# Altium PCB FlatSat Half 2.PcbDoc (part 7 of 9) (continued)
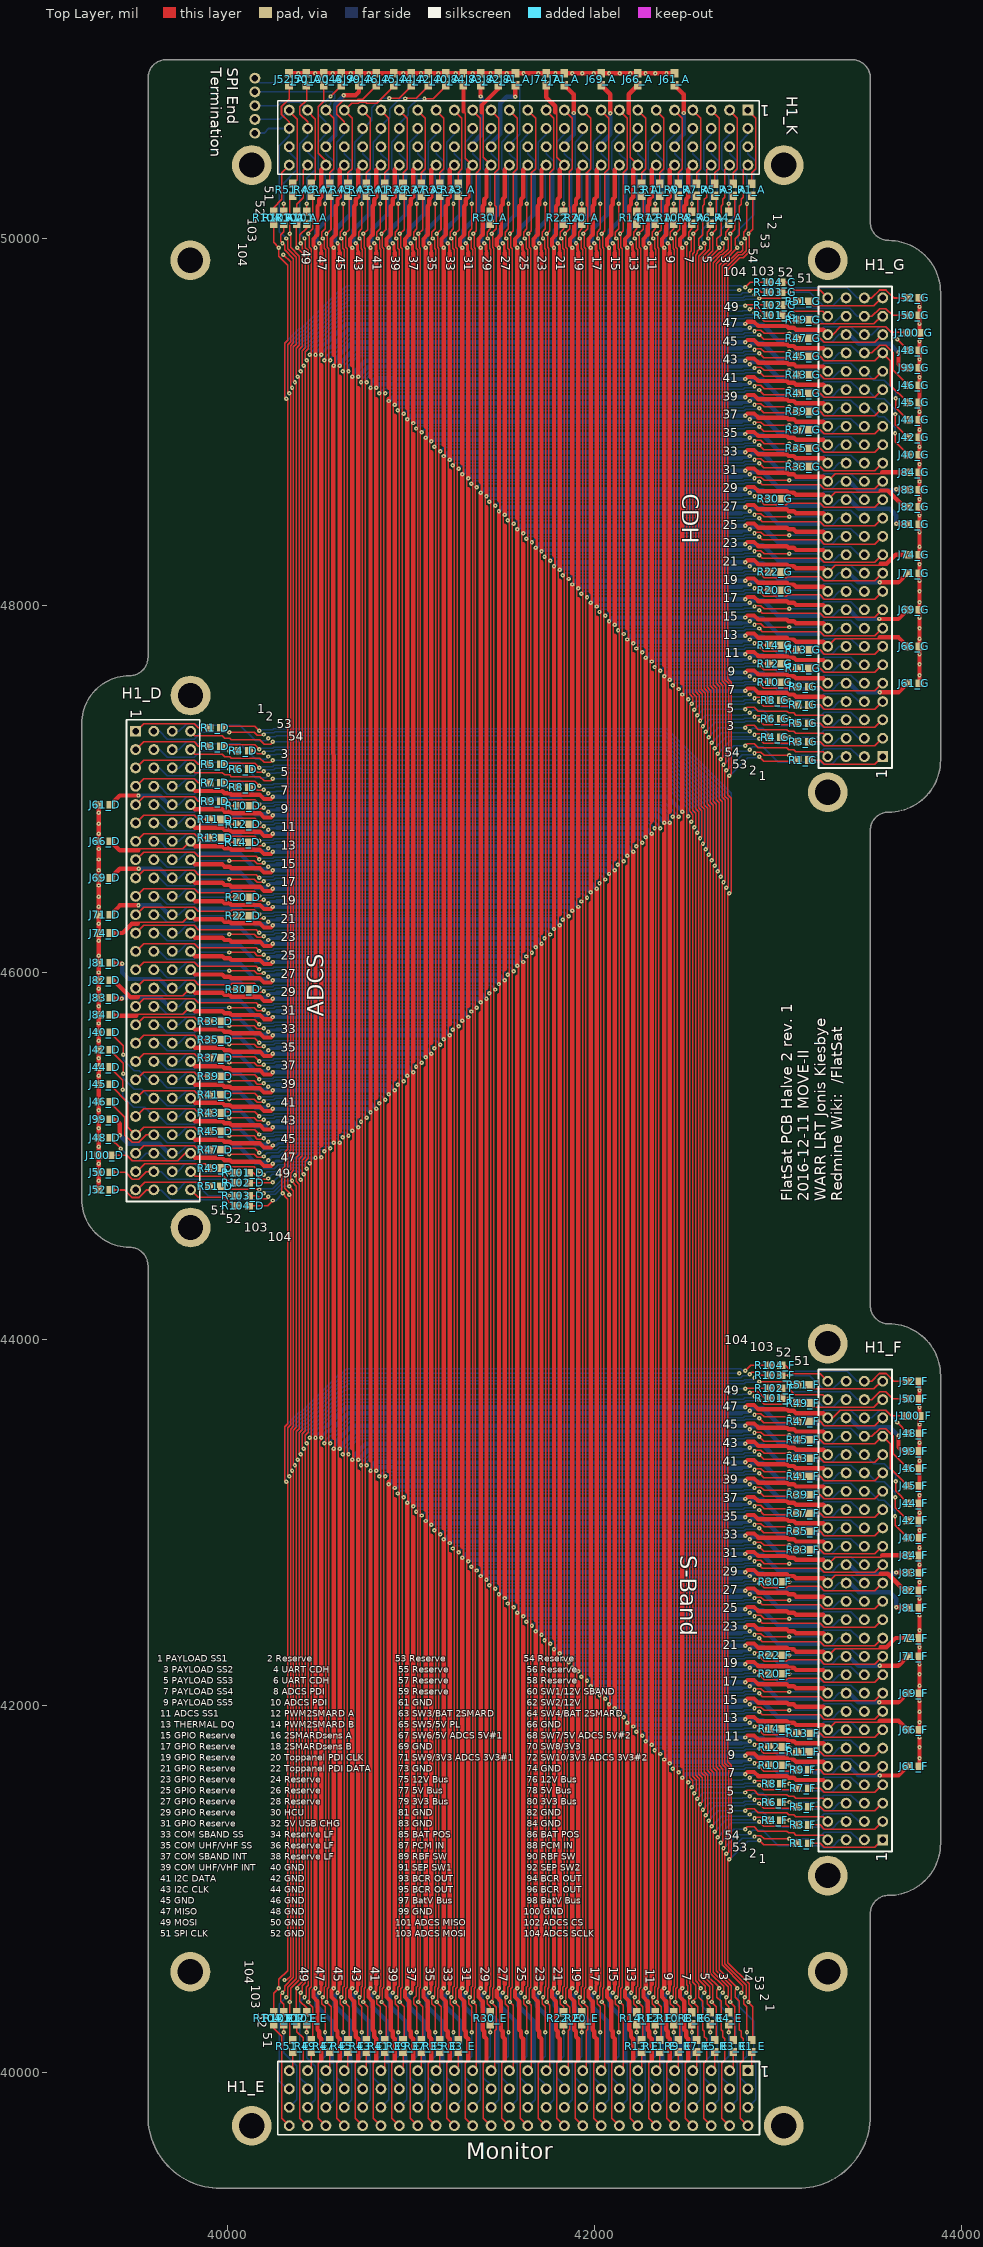
[diagram p0: Top Layer view]
## Nets (pads, with @x,y where several pads share a name; then routed paths per layer and width w, separated by ;. In a path a pad name is that pad's centre, name@x,y a point inside that pad or via, vN(x,y) a via of type N, cw(c..) or ccw(c..) an arc to the next point about the centre after c; other vN are vias at no path point) (continued)
  Bottom Layer w8: v1(40198,46895) 40207,46904 40252.41,46904 40259.41,46911 42363.2,46911 42410.63,46863.57 42410.63,46863.37 v1@42428,46846 ; v1(42428,41658) 42442,41672 42811.59,41672 42818.59,41679 42864,41679 v1(42873,41688) ; v1(42428,47563) 42442,47577 42811.59,47577 42818.59,47584 42864,47584 v1(42873,47593)
  other v1: 42428,46847
GPIO_RESERVE_1: H1_D.27 H1_E.27 H1_F.27 H1_G.27 H1_K.27 | length 16965.2
  Top Layer w8: H1_D.27@39500.48,46012 39543.01,46054.53 39818.1,46054.53 39840.62,46032 40156,46032 v1(40173,46015) ; H1_E.27@41537,40012 41557,40032 41557,40369 v1(41540,40386) 41540,40395 41545,40400 41545,40458.78 41552,40465.78 41552,49944.22 41545,49951.22 41545,50010 41540,50015 v1(41540,50024) 41557,50041 41557,50356.38 41579.53,50378.9 41579.53,50653.99 H1_K.27@41537,50696.52 ; v1(42898,42568) 42915,42551 43230.38,42551 43252.9,42528.47 43527.99,42528.47 H1_F.27@43570.52,42571 ; v1(42898,48473) 42915,48456 43230.38,48456 43252.9,48433.47 43527.99,48433.47 H1_G.27@43570.52,48476
  Bottom Layer w8: v1(40173,46015) 40182,46015 40187,46020 40245.78,46020 40252.78,46027 41538,46027 v1(41560,46005) ; v1(41560,42538) 41578,42556 42818.22,42556 42825.22,42563 42884,42563 42889,42568 v1(42898,42568) ; v1(41560,48443) 41578,48461 42818.22,48461 42825.22,48468 42884,48468 42889,48473 v1(42898,48473)
GPIO_RESERVE_2: H1_D.29 H1_E.29 H1_F.29 H1_G.29 H1_K.29 | length 17096.2
  Top Layer w8: H1_D.29@39500.48,45912 39543.01,45954.53 39818.1,45954.53 39840.62,45932 40017.24,45932 40024.91,45939.67 40145.09,45939.67 40169.76,45915 v1(40173,45915) ; H1_E.29@41437,40012 41457,40032 41457,40230.24 41464.67,40237.91 41464.67,40358.09 41440,40382.76 v1(41440,40386) 41440,40395 41445,40400 41445,40458.78 41452,40465.78 41452,49944.22 41445,49951.22 41445,50010 41440,50015 v1(41440,50024) 41440,50027.24 41464.67,50051.91 41464.67,50172.09 41457,50179.76 41457,50356.38 41478.53,50377.9 41478.53,50654.99 H1_K.29@41437,50696.52 ; v1(42898,42668) 42901.24,42668 42925.91,42643.33 43046.09,42643.33 43053.76,42651 43230.38,42651 43252.9,42628.47 43527.99,42628.47 H1_F.29@43570.52,42671 ; v1(42898,48573) 42901.24,48573 42925.91,48548.33 43046.09,48548.33 43053.76,48556 43230.38,48556 43252.9,48533.47 43527.99,48533.47 H1_G.29@43570.52,48576
  Bottom Layer w8: v1(40173,45915) 40182,45915 40187,45920 40245.78,45920 40252.78,45927 41438,45927 v1(41460,45905) ; v1(41460,42638) 41478,42656 42818.22,42656 42825.22,42663 42884,42663 42889,42668 v1(42898,42668) ; v1(41460,48543) 41478,48561 42818.22,48561 42825.22,48568 42884,48568 42889,48573 v1(42898,48573)
GPIO_RESERVE_3: H1_D.31 H1_E.31 H1_F.31 H1_G.31 H1_K.31 | length 17168.6
  Top Layer w8: H1_D.31@39500.48,45812 39543.01,45854.53 39818.1,45854.53 39840.62,45832 40156,45832 v1(40173,45815) ; H1_E.31@41337,40012 41357,40032 41357,40369 v1(41340,40386) 41340,40395 41345,40400 41345,40458.78 41352,40465.78 41352,49944.22 41345,49951.22 41345,50010 41340,50015 v1(41340,50024) 41357,50041 41357,50356.38 41359,50358.38 ; H1_K.31@41337,50696.52 41378.53,50654.99 41378.53,50377.9 41359,50358.38 ; 41359,50362.55 41359,50358.38 ; v1(42898,42768) 42915,42751 43230.38,42751 43252.9,42728.47 43527.99,42728.47 H1_F.31@43570.52,42771 ; v1(42898,48673) 42915,48656 43230.38,48656 43252.9,48633.47 43527.99,48633.47 H1_G.31@43570.52,48676
  Bottom Layer w8: v1(40173,45815) 40182,45815 40187,45820 40245.78,45820 40252.78,45827 41338,45827 v1(41360,45805) ; v1(41360,42738) 41378,42756 42818.22,42756 42825.22,42763 42884,42763 42889,42768 v1(42898,42768) ; v1(41360,48643) 41378,48661 42818.22,48661 42825.22,48668 42884,48668 42889,48673 v1(42898,48673)
GPIO_RESERVE_4: H1_D.24 H1_E.24 H1_F.24 H1_G.24 H1_K.24 | length 16570
  Top Layer w8: v1(40009,46207) 40146,46207 40163,46190 40193,46190 v1(40198,46195) ; v1(41732,40222) 41732,40359 41715,40376 41715,40406 v1(41720,40411) 41729,40420 41729,40465.41 41736,40472.41 41736,49937.59 41729,49944.59 41729,49990 v1(41720,49999) 41715,50004 41715,50034 41732,50051 v1(41732,50188) ; v1(42873,42388) 42878,42393 42908,42393 42925,42376 v1(43062,42376) ; v1(42873,48293) 42878,48298 42908,48298 42925,48281 v1(43062,48281)
  Bottom Layer w8: H1_D.24@39598,46212 39631,46212 39672.47,46170.53 39818.53,46170.53 39855,46207 v1(40009,46207) ; v1(40198,46195) 40207,46204 40252.41,46204 40259.41,46211 41702,46211 v1(41728,46185) ; v1(41728,42358) 41742,42372 42811.59,42372 42818.59,42379 42864,42379 v1(42873,42388) ; v1(41728,48263) 41742,48277 42811.59,48277 42818.59,48284 42864,48284 v1(42873,48293) ; v1(41732,40222) 41732,40089 41695.47,40052.47 41695.47,39972.53 41737,39931 H1_E.24@41737,39912 ; v1(41732,50188) 41732,50342 41695,50379 41695,50524 41737,50566 H1_K.24@41737,50599 ; v1(43062,42376) 43216,42376 43252.47,42412.47 43398.53,42412.47 43440,42371 H1_F.24@43473,42371 ; v1(43062,48281) 43216,48281 43252.47,48317.47 43398.53,48317.47 43440,48276 H1_G.24@43473,48276
GPIO_RESERVE_5: H1_D.26 H1_E.26 H1_F.26 H1_G.26 H1_K.26 | length 16670
  Top Layer w8: v1(40009,46107) 40146,46107 40163,46090 40193,46090 v1(40198,46095) ; v1(41632,40222) 41632,40359 41615,40376 41615,40406 v1(41620,40411) 41629,40420 41629,40465.41 41636,40472.41 41636,49937.59 41629,49944.59 41629,49990 v1(41620,49999) 41615,50004 41615,50034 41632,50051 v1(41632,50188) ; v1(42873,42488) 42878,42493 42908,42493 42925,42476 v1(43062,42476) ; v1(42873,48393) 42878,48398 42908,48398 42925,48381 v1(43062,48381)
  Bottom Layer w8: H1_D.26@39598,46112 39631,46112 39672.47,46070.53 39818.53,46070.53 39855,46107 v1(40009,46107) ; v1(40198,46095) 40207,46104 40252.41,46104 40259.41,46111 41602,46111 v1(41628,46085) ; v1(41628,42458) 41642,42472 42811.59,42472 42818.59,42479 42864,42479 v1(42873,42488) ; v1(41628,48363) 41642,48377 42811.59,48377 42818.59,48384 42864,48384 v1(42873,48393) ; v1(41632,40222) 41632,40089 41595.47,40052.47 41595.47,39972.53 41637,39931 H1_E.26@41637,39912 ; v1(41632,50188) 41632,50342 41595,50379 41595,50524 41637,50566 H1_K.26@41637,50599 ; v1(43062,42476) 43216,42476 43252.47,42512.47 43398.53,42512.47 43440,42471 H1_F.26@43473,42471 ; v1(43062,48381) 43216,48381 43252.47,48417.47 43398.53,48417.47 43440,48376 H1_G.26@43473,48376
GPIO_RESERVE_6: H1_D.28 H1_E.28 H1_F.28 H1_G.28 H1_K.28 | length 16770
  Top Layer w8: v1(40009,46007) 40146,46007 40163,45990 40193,45990 v1(40198,45995) ; v1(41532,40222) 41532,40359 41515,40376 41515,40406 v1(41520,40411) 41529,40420 41529,40465.41 41536,40472.41 41536,49937.59 41529,49944.59 41529,49990 v1(41520,49999) 41515,50004 41515,50034 41532,50051 v1(41532,50188) ; v1(42873,42588) 42878,42593 42908,42593 42925,42576 v1(43062,42576) ; v1(42873,48493) 42878,48498 42908,48498 42925,48481 v1(43062,48481)
  Bottom Layer w8: H1_D.28@39598,46012 39631,46012 39672.47,45970.53 39818.53,45970.53 39855,46007 v1(40009,46007) ; v1(40198,45995) 40207,46004 40252.41,46004 40259.41,46011 41502,46011 v1(41528,45985) ; v1(41528,42558) 41542,42572 42811.59,42572 42818.59,42579 42864,42579 v1(42873,42588) ; v1(41528,48463) 41542,48477 42811.59,48477 42818.59,48484 42864,48484 v1(42873,48493) ; v1(41532,40222) 41532,40089 41495.47,40052.47 41495.47,39972.53 41537,39931 H1_E.28@41537,39912 ; v1(41532,50188) 41532,50342 41495,50379 41495,50524 41537,50566 H1_K.28@41537,50599 ; v1(43062,42576) 43216,42576 43252.47,42612.47 43398.53,42612.47 43440,42571 H1_F.28@43473,42571 ; v1(43062,48481) 43216,48481 43252.47,48517.47 43398.53,48517.47 43440,48476 H1_G.28@43473,48476
GPIO_RESERVE_7: H1_D.34 H1_E.34 H1_F.34 H1_G.34 H1_K.34 | length 17070.4
  Top Layer w8: v1(40009,45707) 40146,45707 40163,45690 40193,45690 v1(40198,45695) ; v1(41232,40222) 41232,40359 41215,40376 41215,40406 v1(41220,40411) 41229,40420 41229,40465.41 41236,40472.41 41236,49937.57 ; v1(41232,50188) 41232,50051 41215,50034 41215,50004 v1(41220,49999) 41229,49990 41229,49944.59 41236,49937.59 ; v1(42873,42888) 42878,42893 42908,42893 42925,42876 v1(43062,42876) ; v1(42873,48793) 42878,48798 42908,48798 42925,48781 v1(43062,48781)
  Bottom Layer w8: H1_D.34@39598,45712 39631,45712 39672.47,45670.53 39818.53,45670.53 39855,45707 v1(40009,45707) ; v1(40198,45695) 40207,45704 40252.41,45704 40259.41,45711 41201,45711 v1@41228,45684 ; v1(41228,42858) 41242,42872 42811.59,42872 42818.59,42879 42864,42879 v1(42873,42888) ; v1(41228,48763) 41242,48777 42811.59,48777 42818.59,48784 42864,48784 v1(42873,48793) ; v1(41232,40222) 41232,40089 41195.47,40052.47 41195.47,39972.53 41237,39931 H1_E.34@41237,39912 ; v1(41232,50188) 41232,50342 41195,50379 41195,50524 41237,50566 H1_K.34@41237,50599 ; v1(43062,42876) 43216,42876 43252.47,42912.47 43398.53,42912.47 43440,42871 H1_F.34@43473,42871 ; v1(43062,48781) 43216,48781 43252.47,48817.47 43398.53,48817.47 43440,48776 H1_G.34@43473,48776
  other v1: 41228,45685
GPIO_RESERVE_8: H1_D.36 H1_E.36 H1_F.36 H1_G.36 H1_K.36 | length 17170
  Top Layer w8: v1(40009,45607) 40146,45607 40163,45590 40193,45590 v1(40198,45595) ; v1(41132,40222) 41132,40359 41115,40376 41115,40406 v1(41120,40411) 41129,40420 41129,40465.41 41136,40472.41 41136,49937.59 41129,49944.59 41129,49990 v1(41120,49999) 41115,50004 41115,50034 41132,50051 v1(41132,50188) ; v1(42873,42988) 42878,42993 42908,42993 42925,42976 v1(43062,42976) ; v1(42873,48893) 42878,48898 42908,48898 42925,48881 v1(43062,48881)
  Bottom Layer w8: H1_D.36@39598,45612 39631,45612 39672.47,45570.53 39818.53,45570.53 39855,45607 v1(40009,45607) ; v1(40198,45595) 40207,45604 40252.41,45604 40259.41,45611 41102,45611 v1(41128,45585) ; v1(41128,42958) 41142,42972 42811.59,42972 42818.59,42979 42864,42979 v1(42873,42988) ; v1(41128,48863) 41142,48877 42811.59,48877 42818.59,48884 42864,48884 v1(42873,48893) ; v1(41132,40222) 41132,40089 41095.47,40052.47 41095.47,39972.53 41137,39931 H1_E.36@41137,39912 ; v1(41132,50188) 41132,50342 41095,50379 41095,50524 41137,50566 H1_K.36@41137,50599 ; v1(43062,42976) 43216,42976 43252.47,43012.47 43398.53,43012.47 43440,42971 H1_F.36@43473,42971 ; v1(43062,48881) 43216,48881 43252.47,48917.47 43398.53,48917.47 43440,48876 H1_G.36@43473,48876
GPIO_RESERVE_9: H1_D.38 H1_E.38 H1_F.38 H1_G.38 H1_K.38 | length 17269.6
  Top Layer w8: v1(40009,45507) 40146,45507 40163,45490 40193,45490 v1(40198,45495) ; v1(41032,40222) 41032,40359 41015,40376 41015,40406 41029,40420 41029,40465.41 41036,40472.41 41036,49932.59 ; v1(41032,50188) 41032,50051 41015,50034 41015,50004 v1(41020,49999) 41029,49990 41029,49944.59 41036,49937.59 41036,49933 ; v1(42873,43088) 42878,43093 42908,43093 42925,43076 v1(43062,43076) ; v1(42873,48993) 42878,48998 42908,48998 42925,48981 v1(43062,48981)
  Bottom Layer w8: H1_D.38@39598,45512 39631,45512 39672.47,45470.53 39818.53,45470.53 39855,45507 v1(40009,45507) ; v1(40198,45495) 40207,45504 40252.41,45504 40259.41,45511 41002,45511 v1(41028,45485) ; v1(41028,43058) 41042,43072 42811.59,43072 42818.59,43079 42864,43079 v1(42873,43088) ; v1(41028,48963) 41042,48977 42811.59,48977 42818.59,48984 42864,48984 v1(42873,48993) ; v1(41032,40222) 41032,40089 40995.47,40052.47 40995.47,39972.53 41037,39931 H1_E.38@41037,39912 ; v1(41032,50188) 41032,50342 40995,50379 40995,50524 41037,50566 H1_K.38@41037,50599 ; v1(43062,43076) 43216,43076 43252.47,43112.47 43398.53,43112.47 43440,43071 H1_F.38@43473,43071 ; v1(43062,48981) 43216,48981 43252.47,49017.47 43398.53,49017.47 43440,48976 H1_G.38@43473,48976
GPIO_RESERVE_10: H1_D.15 H1_E.15 H1_F.15 H1_G.15 H1_K.15 | length 16372.2
  Top Layer w8: H1_D.15@39500.48,46612 39543.01,46654.53 39818.1,46654.53 39840.62,46632 40156,46632 v1(40173,46615) ; H1_E.15@42137,40012 42157,40032 42157,40369 v1(42140,40386) 42140,40395 42145,40400 42145,40458.78 42153,40466.78 42153,49943.22 42145,49951.22 42145,50010 42140,50015 v1(42140,50024) 42157,50041 42157,50356.38 42178.53,50377.9 42178.53,50654.99 H1_K.15@42152,50681.52 ; H1_K.15@42137,50696.52 H1_K.15@42148,50685.52 ; H1_K.15@42148,50679.52 H1_K.15@42148,50685.52 ; H1_K.15@42152,50680.52 H1_K.15@42152,50681.52 ; v1(42898,41968) 42915,41951 43230.38,41951 43252.9,41928.47 43527.99,41928.47 H1_F.15@43570.52,41971 ; v1(42898,47873) 42915,47856 43230.38,47856 43252.9,47833.47 43527.99,47833.47 H1_G.15@43570.52,47876 ; H1_K.15@42148,50685.52 H1_K.15@42152,50681.52
  Bottom Layer w8: v1(40173,46615) 40182,46615 40187,46620 40245.78,46620 40252.78,46627 42138,46627 v1(42160,46605) ; v1(42160,41938) 42178,41956 42818.22,41956 42825.22,41963 42884,41963 42889,41968 v1(42898,41968) ; v1(42160,47843) 42178,47861 42818.22,47861 42825.22,47868 42884,47868 42889,47873 v1(42898,47873)
GPIO_RESERVE_11: H1_D.17 H1_E.17 H1_F.17 H1_G.17 H1_K.17 | length 16492.2
  Top Layer w8: H1_D.17@39500.48,46512 39543.01,46554.53 39818.1,46554.53 39840.62,46532 40156,46532 v1(40173,46515) v1@40182,46515 ; H1_E.17@42037,40012 42057,40032 42057,40369 v1(42040,40386) 42040,40395 42045,40400 42045,40458.78 42052,40465.78 42052,49944.22 42045,49951.22 42045,50010 42040,50015 v1(42040,50024) 42057,50041 42057,50356.38 42079.53,50378.9 42079.53,50653.99 H1_K.17@42037,50696.52 ; v1@42889,42068 v1(42898,42068) 42915,42051 43230.38,42051 43252.9,42028.47 43527.99,42028.47 H1_F.17@43570.52,42071 ; v1@42889,47973 v1(42898,47973) 42915,47956 43230.38,47956 43252.9,47933.47 43527.99,47933.47 H1_G.17@43570.52,47976
  Bottom Layer w8: v1(40173,46515) 40182,46515 40187,46520 40245.78,46520 40252.78,46527 42038,46527 v1(42060,46505) ; v1(42060,42038) 42078,42056 42818.22,42056 42825.22,42063 42884,42063 42889,42068 v1(42898,42068) ; v1(42060,47943) 42078,47961 42818.22,47961 42825.22,47968 42884,47968 42889,47973 v1(42898,47973)
GPIO_RESERVE_12: H1_D.19 H1_E.19 H1_F.19 H1_G.19 H1_K.19 | length 16813.9
  Top Layer w8: H1_D.19@39500.48,46412 39543.01,46454.53 39818.1,46454.53 39840.62,46432 40017.24,46432 40024.91,46439.67 40145.09,46439.67 40169.76,46415 v1(40173,46415) v1@40182,46415 ; H1_E.19@41937,40012 41957,40032 41957,40230.24 41964.67,40237.91 41964.67,40358.09 41940,40382.76 v1(41940,40386) 41940,40395 41945,40400 41945,40458.78 41952,40465.78 41952,49944.22 41945,49951.22 41945,50010 41940,50015 v1(41940,50024) 41940,50027.24 41964.67,50051.91 41964.67,50172.09 41963.66,50173.1 ; H1_K.19@41937,50696.52 41979.53,50653.99 41979.53,50378.9 41963.66,50363.03 ; v1@42889,42168 v1(42898,42168) 42901.24,42168 42925.91,42143.33 43046.09,42143.33 43053.76,42151 43230.38,42151 43252.9,42128.47 43527.99,42128.47 H1_F.19@43570.52,42171 ; v1@42889,48073 v1(42898,48073) 42901.24,48073 42925.91,48048.33 43046.09,48048.33 43053.76,48056 43230.38,48056 43252.9,48033.47 43527.99,48033.47 H1_G.19@43570.52,48076 ; 41963.66,50173.1 41957,50179.76 41957,50356.38 41963.66,50363.03 ; 41963.66,50173.1 41963.66,50363.03
  Bottom Layer w8: v1(40173,46415) 40182,46415 40187,46420 40245.78,46420 40252.78,46427 41938,46427 v1(41960,46405) ; v1(41960,42138) 41978,42156 42818.22,42156 42825.22,42163 42884,42163 42889,42168 v1(42898,42168) ; v1(41960,48043) 41978,48061 42818.22,48061 42825.22,48068 42884,48068 42889,48073 v1(42898,48073)
GPIO_RESERVE_13: H1_D.21 H1_E.21 H1_F.21 H1_G.21 H1_K.21 | length 16691
  Top Layer w8: H1_D.21@39500.48,46312 39543.01,46354.53 39818.1,46354.53 39840.62,46332 40017.24,46332 40024.91,46339.67 40145.09,46339.67 40169.76,46315 v1(40173,46315) ; H1_E.21@41837,40012 41857,40032 41857,40230.24 41864.67,40237.91 41864.67,40358.09 41840,40382.76 v1(41840,40386) 41840,40395 41845,40400 41845,40458.78 41852,40465.78 41852,49944.22 41845,49951.22 41845,50010 41840,50015 v1(41840,50024) 41840,50027.24 41865,50052.24 41865,50172.42 41864.67,50172.09 ; H1_K.21@41837,50696.52 41879.53,50653.99 41879.53,50378.9 41863.66,50363.03 41863.66,50173.1 ; v1(42898,42268) 42901.24,42268 42925.91,42243.33 43046.09,42243.33 43053.76,42251 43230.38,42251 43252.9,42228.47 43527.99,42228.47 H1_F.21@43570.52,42271 ; v1(42898,48173) 42901.24,48173 42925.91,48148.33 43046.09,48148.33 43053.76,48156 43230.38,48156 43252.9,48133.47 43527.99,48133.47 H1_G.21@43570.52,48176
  Bottom Layer w8: v1(40173,46315) 40182,46315 40187,46320 40245.78,46320 40252.78,46327 41838,46327 v1(41860,46305) ; v1(41860,42238) 41878,42256 42818.22,42256 42825.22,42263 42884,42263 42889,42268 v1(42898,42268) ; v1(41860,48143) 41878,48161 42818.22,48161 42825.22,48168 42884,48168 42889,48173 v1(42898,48173)
GPIO_RESERVE_14: H1_D.23 H1_E.23 H1_F.23 H1_G.23 H1_K.23 | length 16764.4
  Top Layer w8: H1_D.23@39500.48,46212 39543.01,46254.53 39818.1,46254.53 39840.62,46232 40156,46232 v1(40173,46215) ; H1_E.23@41737,40012 41757,40032 41757,40369 v1(41740,40386) 41740,40395 41745,40400 41745,40458.78 41752,40465.78 41752,49944.22 41745,49951.22 41745,50010 41740,50015 v1(41740,50024) 41757,50041 41757,50356.38 41778.53,50377.9 41778.53,50654.99 H1_K.23@41737,50696.52 ; v1(42898,42368) 42915,42351 43230.38,42351 43252.9,42328.47 43527.99,42328.47 H1_F.23@43570.52,42371 ; v1(42898,48273) 42915,48256 43230.38,48256 43252.9,48233.47 43527.99,48233.47 H1_G.23@43570.52,48276
  Bottom Layer w8: v1(40173,46215) 40182,46215 40187,46220 40245.78,46220 40252.78,46227 41738,46227 v1(41760,46205) ; v1(41760,42338) 41778,42356 42818.22,42356 42825.22,42363 42884,42363 42889,42368 v1(42898,42368) ; v1(41760,48243) 41778,48261 42818.22,48261 42825.22,48268 42884,48268 42889,48273 v1(42898,48273)
GPIO_RESERVE_15: H1_D.25 H1_E.25 H1_F.25 H1_G.25 H1_K.25 | length 16864.5
  Top Layer w8: H1_D.25@39500.48,46112 39543.01,46154.53 39818.1,46154.53 39840.62,46132 40156,46132 v1(40173,46115) ; H1_E.25@41637,40012 41657,40032 41657,40369 v1(41640,40386) 41640,40395 41645,40400 41645,40458.78 41652,40465.78 41652,49939.22 ; H1_K.25@41637,50696.52 41679.53,50653.99 41679.53,50378.9 41657,50356.38 41657,50041 v1(41640,50024) 41640,50015 41645,50010 41645,49951.22 41652,49944.22 41652,49940 ; v1(42898,42468) 42915,42451 43230.38,42451 43252.9,42428.47 43527.99,42428.47 H1_F.25@43570.52,42471 ; v1(42898,48373) 42915,48356 43230.38,48356 43252.9,48333.47 43527.99,48333.47 H1_G.25@43570.52,48376
  Bottom Layer w8: v1(40173,46115) 40182,46115 40187,46120 40245.78,46120 40252.78,46127 41638,46127 v1(41660,46105) ; v1(41660,42438) 41678,42456 42818.22,42456 42825.22,42463 42884,42463 42889,42468 v1(42898,42468) ; v1(41660,48343) 41678,48361 42818.22,48361 42825.22,48368 42884,48368 42889,48373 v1(42898,48373)
HCU: R30_A.2 R30_D.2 R30_E.2 R30_F.2 R30_G.2 | length 14213.3
  Top Layer w8: R30_D.2@40117.15,45907 R30_D.2@40117.48,45907 40146,45907 40163,45890 40193,45890 v1(40198,45895) ; R30_E.2@41432,40330.15 R30_E.2@41432,40330.48 41432,40359 41415,40376 41415,40406 v1(41420,40411) 41429,40420 41429,40465.41 41436,40472.41 41436,49937.59 41429,49944.59 41429,49990 v1(41420,49999) 41415,50004 41415,50034 41432,50051 R30_A.2@41432,50079.52 R30_A.2@41432,50079.85 ; v1(42873,42688) 42878,42693 42908,42693 42925,42676 R30_F.2@42953.52,42676 R30_F.2@42953.85,42676 ; v1(42873,48593) 42878,48598 42908,48598 42925,48581 R30_G.2@42953.52,48581 R30_G.2@42953.85,48581
  Bottom Layer w8: v1(40198,45895) 40207,45904 40252.41,45904 40259.41,45911 41402,45911 v1(41428,45885) ; v1(41428,42658) 41442,42672 42811.59,42672 42818.59,42679 42864,42679 v1(42873,42688) ; v1(41428,48563) 41442,48577 42811.59,48577 42818.59,48584 42864,48584 v1(42873,48593)
I2C_CLK: R43_A.1 R43_D.1 R43_E.1 R43_F.1 R43_G.1 | length 15905.1
  Top Layer w8: R43_D.1@39965.48,45232 39965.48,45239.67 40148.33,45239.67 v1(40173,45215) ; R43_E.1@40757,40178.48 40764.67,40178.48 40764.67,40361.33 v1(40740,40386) 40740,40395 40745,40400 40745,40458.78 40752,40465.78 40752,49944.22 40745,49951.22 40745,50010 40740,50015 v1(40740,50024) 40763.66,50047.66 ; R43_A.1@40757,50231.52 R43_A.1@40759,50231.52 ; R43_A.1@40759,50231.04 R43_A.1@40759,50231.52 ; v1(42898,43368) 42922.67,43343.33 43105.52,43343.33 R43_F.1@43105.52,43351 ; v1(42898,49273) 42922.67,49248.33 43105.52,49248.33 R43_G.1@43105.52,49256 ; R43_A.1@40759,50231.52 R43_A.1@40763.66,50231.52 ; 40763.66,50047.66 R43_A.1@40763.66,50231.52 ; 40763.66,50047.66 40764.67,50048.67 40764.67,50231.52 R43_A.1@40763.66,50231.52
  Bottom Layer w8: v1(40173,45215) 40182,45215 40187,45220 40245.78,45220 40252.78,45227 40738,45227 v1(40760,45205) ; v1@40759,43313 40760,43314 40760,43332 40784,43356 42818.22,43356 42825.22,43363 42884,43363 42889,43368 v1(42898,43368) ; v1@40759,49218 40760,49219 40760,49237 40784,49261 42818.22,49261 42825.22,49268 42884,49268 42889,49273 v1(42898,49273)
  other v1: 40760,43311 40760,49216
I2C_DATA: R41_A.1 R41_D.1 R41_E.1 R41_F.1 R41_G.1 | length 15749.3
  Top Layer w8: R41_D.1@39965.48,45332 39965.48,45339.67 40148.33,45339.67 v1(40173,45315) ; R41_E.1@40857,40178.48 40864.67,40178.48 40864.67,40361.33 v1(40840,40386) 40840,40395 40845,40400 40845,40458.78 40852,40465.78 40852,49944.22 40845,49951.22 40845,50010 40840,50015 v1(40840,50024) 40863.66,50047.66 ; R41_A.1@40857,50231.52 R41_A.1@40859,50231.52 ; R41_A.1@40859,50231.04 R41_A.1@40859,50231.52 ; v1(42898,43268) 42922.67,43243.33 43105.52,43243.33 R41_F.1@43105.52,43251 ; v1(42898,49173) 42922.67,49148.33 43105.52,49148.33 R41_G.1@43105.52,49156 ; R41_A.1@40859,50231.52 R41_A.1@40863.66,50231.52 ; 40863.66,50047.66 R41_A.1@40863.66,50231.52 ; 40863.66,50047.66 40864.67,50048.67 40864.67,50231.52 R41_A.1@40863.66,50231.52
  Bottom Layer w8: v1(40173,45315) 40182,45315 40187,45320 40245.78,45320 40252.78,45327 40838,45327 v1(40860,45305) ; v1@40861,43250 40867,43256 42818.22,43256 42825.22,43263 42884,43263 42889,43268 v1(42898,43268) ; v1@40861,49155 40867,49161 42818.22,49161 42825.22,49168 42884,49168 42889,49173 v1(42898,49173)
  other v1: 40860,43251 40860,49156
MISO: R47_A.1 R47_D.1 R47_E.1 R47_F.1 R47_G.1 | length 16170.8
  Top Layer w8: R47_D.1@39965.48,45032 39965.48,45039.67 40148.33,45039.67 v1(40173,45015) ; R47_E.1@40557,40178.48 40564.67,40178.48 40564.67,40361.33 v1(40540,40386) 40540,40395 40545,40400 40545,40458.78 40552,40465.78 v1@40552,43431 ; R47_A.1@40557,50231.52 R47_A.1@40559,50231.52 ; R47_A.1@40559,50231.04 R47_A.1@40559,50231.52 ; v1(40560,43431) v1@40552,43431 ; v1(40560,49336) v1@40552,49336 ; v1(42898,43568) 42922.67,43543.33 43105.52,43543.33 R47_F.1@43105.52,43551 ; v1(42898,49473) 42922.67,49448.33 43105.52,49448.33 R47_G.1@43105.52,49456 ; v1@40552,43431 v1@40552,49336 ; v1@40552,49336 40552,49944.22 40545,49951.22 40545,50010 40540,50015 v1(40540,50024) 40563.66,50047.66 ; R47_A.1@40559,50231.52 R47_A.1@40563.66,50231.52 ; 40563.66,50047.66 R47_A.1@40563.66,50231.52 ; 40563.66,50047.66 40564.67,50048.67 40564.67,50231.52 R47_A.1@40563.66,50231.52
  Bottom Layer w8: v1(40173,45015) 40182,45015 40198,45031 40269.92,45031 40285.92,45047 v1@40553,45047 ; v1(40560,43431) 40560,43441.84 40674.16,43556 42818.22,43556 42825.22,43563 42884,43563 42889,43568 v1(42898,43568) ; v1(40560,49336) 40560,49346.84 40674.16,49461 42818.22,49461 42825.22,49468 42884,49468 42889,49473 v1(42898,49473)
  other v1: 40560,45039
MOSI: R49_A.1 R49_D.1 R49_E.1 R49_F.1 R49_G.1 | length 16156.3
  Top Layer w8: R49_D.1@39965.48,44932 39965.48,44939.34 40145.09,44939.34 40169.43,44915 v1(40173,44915) ; v1(40448,44959) v1@40456,44959 ; R49_E.1@40457,40178.48 40464.34,40178.48 40464.34,40358.09 40440,40382.43 v1(40440,40386) 40440,40395 40445,40400 40445,40458.78 40456,40469.78 v1@40456,44959 ; R49_A.1@40457,50231.52 40464.34,50231.52 40464.34,50051.91 40440,50027.57 v1(40440,50024) 40440,50015 40445,50010 40445,49951.22 40456,49940.22 v1@40456,44959 ; v1(42898,43668) 42901.57,43668 42925.91,43643.66 43105.52,43643.66 R49_F.1@43105.52,43651 ; v1(42898,49573) 42901.57,49573 42925.91,49548.66 43105.52,49548.66 R49_G.1@43105.52,49556
  Bottom Layer w8: v1(40173,44915) 40182,44915 40196,44929 40255.94,44929 40277.94,44951 40324.18,44951 40338.18,44965 40442,44965 v1(40448,44959) ; v1@40445.7,43463.3 40638.39,43656 42818.22,43656 42825.22,43663 42884,43663 42889,43668 v1(42898,43668) ; v1@40445.7,49368.3 40638.39,49561 42818.22,49561 42825.22,49568 42884,49568 42889,49573 v1(42898,49573)
  other v1: 40448,43461 40448,49366
NetH1_A_1: H1_K.1 R1_A.2 | length 427
  Top Layer w8: H1_K.1@42837,50696.52 42879.53,50653.99 42879.53,50378.9 42857,50356.38 R1_A.2@42857,50296.48
NetH1_A_3: H1_K.3 R3_A.2 | length 427
  Top Layer w8: H1_K.3@42737,50696.52 42779.53,50653.99 42779.53,50378.9 42757,50356.38 R3_A.2@42757,50296.48
NetH1_A_4: H1_K.4 R4_A.1 | length 486.9
  Top Layer w8: R4_A.1@42732,50144.81 v1(42732,50188)
  Bottom Layer w8: v1(42732,50188) 42732,50342 42695,50379 42695,50524 42737,50566 H1_K.4@42737,50599
NetH1_A_5: H1_K.5 R5_A.2 | length 427
  Top Layer w8: H1_K.5@42637,50696.52 42679.53,50653.99 42679.53,50378.9 42657,50356.38 R5_A.2@42657,50296.48
NetH1_A_6: H1_K.6 R6_A.1 | length 486.9
  Top Layer w8: R6_A.1@42632,50144.81 v1(42632,50188)
  Bottom Layer w8: v1(42632,50188) 42632,50342 42595,50379 42595,50524 42637,50566 H1_K.6@42637,50599
NetH1_A_7: H1_K.7 R7_A.2 | length 427
  Top Layer w8: H1_K.7@42537,50696.52 42579.53,50653.99 42579.53,50378.9 42557,50356.38 R7_A.2@42557,50296.48
NetH1_A_8: H1_K.8 R8_A.1 | length 486.9
  Top Layer w8: R8_A.1@42532,50144.81 v1(42532,50188)
  Bottom Layer w8: v1(42532,50188) 42532,50342 42495,50379 42495,50524 42537,50566 H1_K.8@42537,50599
NetH1_A_9: H1_K.9 R9_A.2 | length 427
  Top Layer w8: H1_K.9@42437,50696.52 42479.53,50653.99 42479.53,50378.9 42457,50356.38 R9_A.2@42457,50296.48
NetH1_A_10: H1_K.10 R10_A.1 | length 486.9
  Top Layer w8: R10_A.1@42432,50144.81 v1(42432,50188)
  Bottom Layer w8: v1(42432,50188) 42432,50342 42395,50379 42395,50524 42437,50566 H1_K.10@42437,50599
NetH1_A_11: H1_K.11 R11_A.2 | length 427
  Top Layer w8: H1_K.11@42337,50696.52 42379.53,50653.99 42379.53,50378.9 42357,50356.38 R11_A.2@42357,50296.48
NetH1_A_12: H1_K.12 R12_A.1 | length 486.9
  Top Layer w8: R12_A.1@42332,50144.81 v1(42332,50188)
  Bottom Layer w8: v1(42332,50188) 42332,50342 42295,50379 42295,50524 42337,50566 H1_K.12@42337,50599
NetH1_A_13: H1_K.13 R13_A.2 | length 427
  Top Layer w8: H1_K.13@42237,50696.52 42279.53,50653.99 42279.53,50378.9 42257,50356.38 R13_A.2@42257,50296.48
NetH1_A_14: H1_K.14 R14_A.1 | length 486.9
  Top Layer w8: R14_A.1@42232,50144.81 v1(42232,50188)
  Bottom Layer w8: v1(42232,50188) 42232,50342 42195,50379 42195,50524 42237,50566 H1_K.14@42237,50599
NetH1_A_20: H1_K.20 R20_A.1 | length 486.9
  Top Layer w8: R20_A.1@41932,50144.81 v1(41932,50188)
  Bottom Layer w8: v1(41932,50188) 41932,50342 41895,50379 41895,50524 41937,50566 H1_K.20@41937,50599
NetH1_A_22: H1_K.22 R22_A.1 | length 486.9
  Top Layer w8: R22_A.1@41832,50144.81 v1(41832,50188)
  Bottom Layer w8: v1(41832,50188) 41832,50342 41795,50379 41795,50524 41837,50566 H1_K.22@41837,50599
NetH1_A_30: H1_K.30 R30_A.1 | length 486.9
  Top Layer w8: R30_A.1@41432,50144.81 v1(41432,50188)
  Bottom Layer w8: v1(41432,50188) 41432,50342 41395,50379 41395,50524 41437,50566 H1_K.30@41437,50599
NetH1_A_33: H1_K.33 R33_A.2 | length 426.2
  Top Layer w8: H1_K.33@41237,50696.52 41278.53,50654.99 41278.53,50377.9 41257,50356.38 R33_A.2@41257,50296.48
NetH1_A_35: H1_K.35 R35_A.1 | length 427
  Top Layer w8: H1_K.35@41137,50696.52 41179.53,50653.99 41179.53,50378.9 41157,50356.38 R35_A.1@41157,50296.48